# KiCad board Rogelio Pineda - connect 5 AMLDC-2044B.kicad_pcb
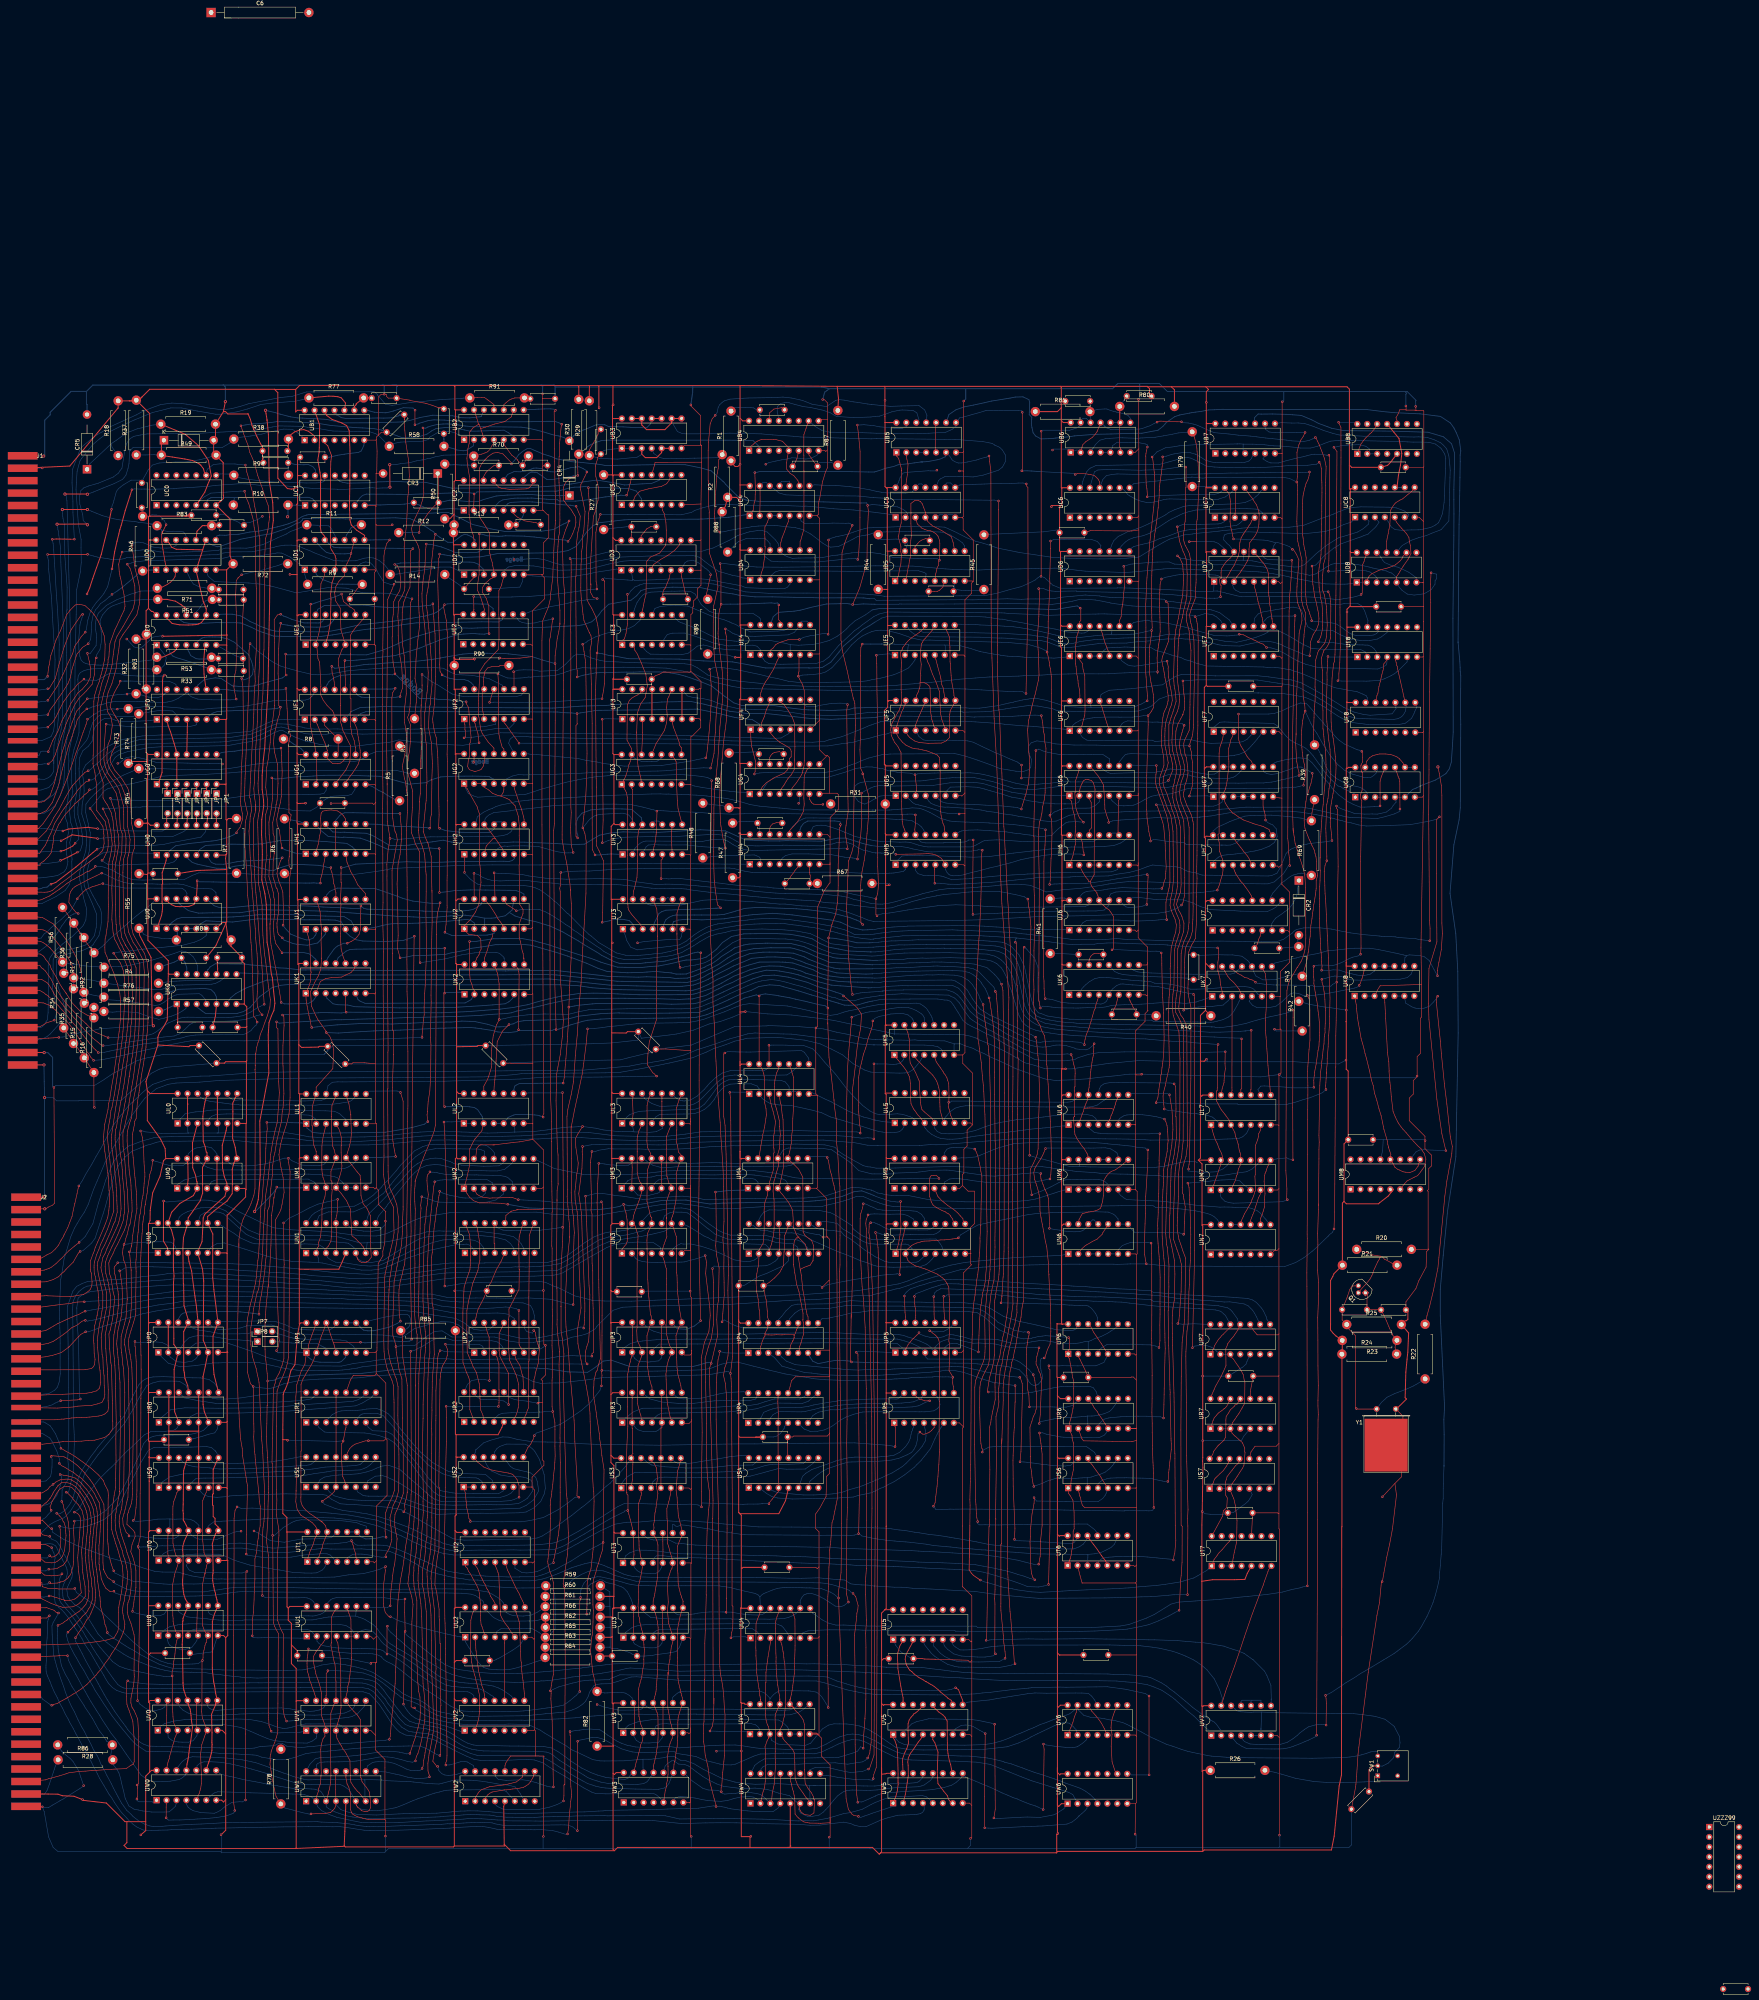
[diagram p0: board, top side]
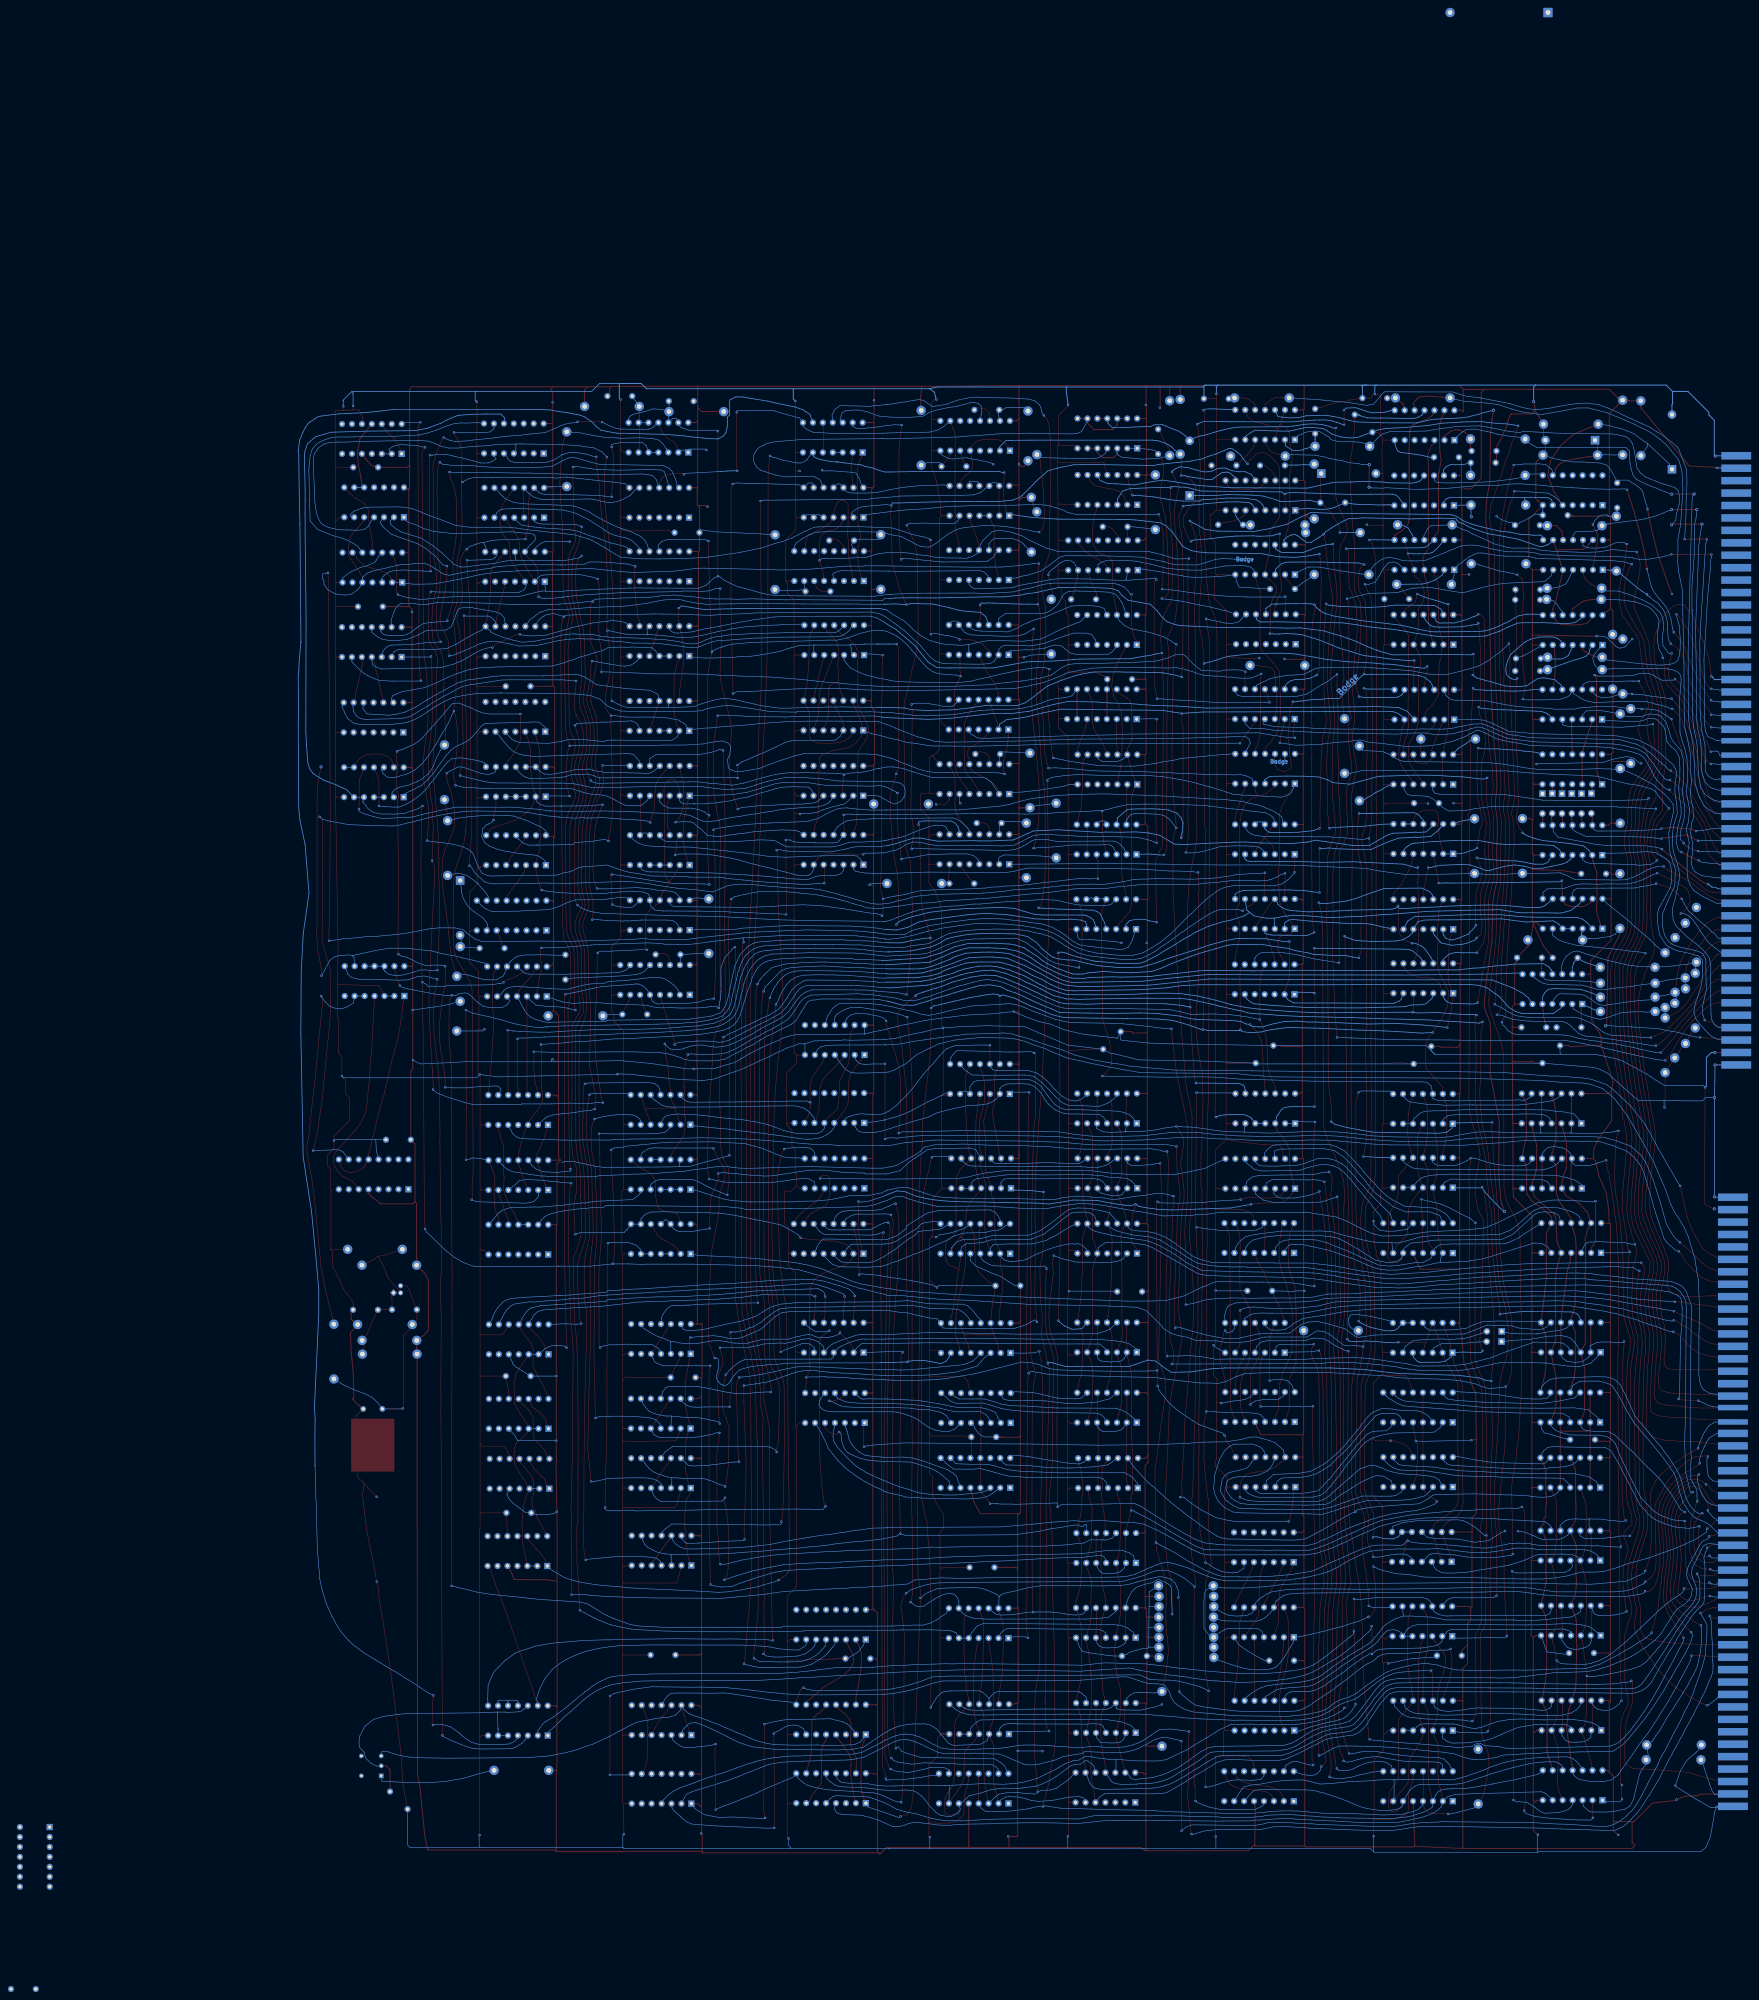
[diagram p1: board, bottom side, seen from below]

No outline. copper layers: Top, Bottom. Coordinates in mm from the lowest, leftmost part position.

## Placement (name value [footprint] x y rotation side)
C1  CAP_Disc_Common_-_Entrex_Trapezoid  [Disc Capacitor Common Entrex Trapezoid]  105.97 380.64 90 top
C2  CAP_Disc_Common_-_Entrex_Trapezoid  [Disc Capacitor Common Entrex Trapezoid]  170.39 399.34 45 top
C3  CAP_Disc_Common_-_Entrex_Trapezoid  [Disc Capacitor Common Entrex Trapezoid]  183.13 399.55 90 top
C4  CAP_Disc_Common_-_Entrex_Trapezoid  [Disc Capacitor Common Entrex Trapezoid]  512.79 0 0 top
C5  CAP_Disc_Common_-_Entrex_Trapezoid  [Disc Capacitor Common Entrex Trapezoid]  345.97 405.11 180 top
C6  CAP  [CAP non-polarized P25.00mm]  123.88 504.58 0 top
C7  CAP_Disc_Common_-_Entrex_Trapezoid  [Disc Capacitor Common Entrex Trapezoid]  361.66 406.4 180 top
C8  CAP_Disc_Common_-_Entrex_Trapezoid  [Disc Capacitor Common Entrex Trapezoid]  426.64 173.04 180 top
C9  CAP_Disc_Common_-_Entrex_Trapezoid  [Disc Capacitor Common Entrex Trapezoid]  416.69 173.09 180 top
C10  CAP_Disc_Common_-_Entrex_Trapezoid  [Disc Capacitor Common Entrex Trapezoid]  115.66 139.88 180 top
C11  CAP_Disc_Common_-_Entrex_Trapezoid  [Disc Capacitor Common Entrex Trapezoid]  273.01 282.33 0 top
C12  CAP_Disc_Common_-_Entrex_Trapezoid  [Disc Capacitor Common Entrex Trapezoid]  266.37 315.42 0 top
C13  CAP_Disc_Common_-_Entrex_Trapezoid  [Disc Capacitor Common Entrex Trapezoid]  206.02 389.12 0 top
C14  CAP_Disc_Common_-_Entrex_Trapezoid  [Disc Capacitor Common Entrex Trapezoid]  223.27 394.34 90 top
C15  CAP_Disc_Common_-_Entrex_Trapezoid  [Disc Capacitor Common Entrex Trapezoid]  204.32 373.99 0 top
C16  CAP_Disc_Common_-_Entrex_Trapezoid  [Disc Capacitor Common Entrex Trapezoid]  167.47 406.32 0 top
C17  CAP_Disc_Common_-_Entrex_Trapezoid  [Disc Capacitor Common Entrex Trapezoid]  426.59 388.21 180 top
C18  CAP_Disc_Common_-_Entrex_Trapezoid  [Disc Capacitor Common Entrex Trapezoid]  269.1 107.27 180 top
C19  CAP_Disc_Common_-_Entrex_Trapezoid  [Disc Capacitor Common Entrex Trapezoid]  122.64 375.97 180 top
C20  CAP_Disc_Common_-_Entrex_Trapezoid  [Disc Capacitor Common Entrex Trapezoid]  129.76 373.43 180 top
C21  CAP_Disc_Common_-_Entrex_Trapezoid  [Disc Capacitor Common Entrex Trapezoid]  418.1 48.27 225 top
C22  CAP_Disc_Common_-_Entrex_Trapezoid  [Disc Capacitor Common Entrex Trapezoid]  300.82 83.96 180 top
C23  CAP_Disc_Common_-_Entrex_Trapezoid  [Disc Capacitor Common Entrex Trapezoid]  350.61 84.89 180 top
C24  CAP_Disc_Common_-_Entrex_Trapezoid  [Disc Capacitor Common Entrex Trapezoid]  311.04 356.54 180 top
C25  CAP_Disc_Common_-_Entrex_Trapezoid  [Disc Capacitor Common Entrex Trapezoid]  233.82 373.47 0 top
C26  CAP_Disc_Common_-_Entrex_Trapezoid  [Disc Capacitor Common Entrex Trapezoid]  232.67 334.52 0 top
C27  CAP_Disc_Common_-_Entrex_Trapezoid  [Disc Capacitor Common Entrex Trapezoid]  241.9 354.94 0 top
C28  CAP_Disc_Common_-_Entrex_Trapezoid  [Disc Capacitor Common Entrex Trapezoid]  178.22 379.62 0 top
C29  CAP_Disc_Common_-_Entrex_Trapezoid  [Disc Capacitor Common Entrex Trapezoid]  193.62 389.12 0 top
C30  CAP_Disc_Common_-_Entrex_Trapezoid  [Disc Capacitor Common Entrex Trapezoid]  207.97 406.17 0 top
C31  CAP_Disc_Common_-_Entrex_Trapezoid  [Disc Capacitor Common Entrex Trapezoid]  139.77 389.82 0 top
C32  CAP_Disc_Common_-_Entrex_Trapezoid  [Disc Capacitor Common Entrex Trapezoid]  230.18 84.62 180 top
C33  CAP_Disc_Common_-_Entrex_Trapezoid  [Disc Capacitor Common Entrex Trapezoid]  192.54 83.46 180 top
C34  CAP_Disc_Common_-_Entrex_Trapezoid  [Disc Capacitor Common Entrex Trapezoid]  149.7 84.73 180 top
C35  CAP_Disc_Common_-_Entrex_Trapezoid  [Disc Capacitor Common Entrex Trapezoid]  115.93 85.38 180 top
C36  CAP_Disc_Common_-_Entrex_Trapezoid  [Disc Capacitor Common Entrex Trapezoid]  387.47 121.19 180 top
C37  CAP_Disc_Common_-_Entrex_Trapezoid  [Disc Capacitor Common Entrex Trapezoid]  345.49 155.76 180 top
C38  CAP_Disc_Common_-_Entrex_Trapezoid  [Disc Capacitor Common Entrex Trapezoid]  387.62 156.11 180 top
C39  CAP_Disc_Common_-_Entrex_Trapezoid  [Disc Capacitor Common Entrex Trapezoid]  268.67 140.56 180 top
C40  CAP_Disc_Common_-_Entrex_Trapezoid  [Disc Capacitor Common Entrex Trapezoid]  304.99 369.54 180 top
C41  CAP_Disc_Common_-_Entrex_Trapezoid  [Disc Capacitor Common Entrex Trapezoid]  266.62 403.32 0 top
C42  CAP_Disc_Common_-_Entrex_Trapezoid  [Disc Capacitor Common Entrex Trapezoid]  275.02 388.87 0 top
C43  CAP_Disc_Common_-_Entrex_Trapezoid  [Disc Capacitor Common Entrex Trapezoid]  161.87 355.02 0 top
C44  CAP_Disc_Common_-_Entrex_Trapezoid  [Disc Capacitor Common Entrex Trapezoid]  191.07 357.57 0 top
C45  CAP_Disc_Common_-_Entrex_Trapezoid  [Disc Capacitor Common Entrex Trapezoid]  139.57 392.82 0 top
C46  CAP_Disc_Common_-_Entrex_Trapezoid  [Disc Capacitor Common Entrex Trapezoid]  149.17 391.22 0 top
C47  CAP_Disc_Common_-_Entrex_Trapezoid  [Disc Capacitor Common Entrex Trapezoid]  394.29 265.39 180 top
C48  CAP_Disc_Common_-_Entrex_Trapezoid  [Disc Capacitor Common Entrex Trapezoid]  375.15 261.39 270 top
C49  CAP_Disc_Common_-_Entrex_Trapezoid  [Disc Capacitor Common Entrex Trapezoid]  357.84 248.49 180 top
C50  CAP_Disc_Common_-_Entrex_Trapezoid  [Disc Capacitor Common Entrex Trapezoid]  349.34 263.79 180 top
C51  CAP_Disc_Common_-_Entrex_Trapezoid  [Disc Capacitor Common Entrex Trapezoid]  387.64 332.29 180 top
C52  CAP_Disc_Common_-_Entrex_Trapezoid  [Disc Capacitor Common Entrex Trapezoid]  344.49 371.54 180 top
C53  CAP_Disc_Common_-_Entrex_Trapezoid  [Disc Capacitor Common Entrex Trapezoid]  425.39 352.64 180 top
C54  CAP_Disc_Common_-_Entrex_Trapezoid  [Disc Capacitor Common Entrex Trapezoid]  418.24 216.49 180 top
C55  CAP_Disc_Common_-_Entrex_Trapezoid  [Disc Capacitor Common Entrex Trapezoid]  261.22 179.62 0 top
C56  CAP_Disc_Common_-_Entrex_Trapezoid  [Disc Capacitor Common Entrex Trapezoid]  266.03 297.79 0 top
C57  CAP_Disc_Common_-_Entrex_Trapezoid  [Disc Capacitor Common Entrex Trapezoid]  117.87 245.62 0 top
C58  CAP_Disc_Common_-_Entrex_Trapezoid  [Disc Capacitor Common Entrex Trapezoid]  128.37 357.42 0 top
C59  CAP_Disc_Common_-_Entrex_Trapezoid  [Disc Capacitor Common Entrex Trapezoid]  128.42 354.82 0 top
C60  CAP_Disc_Common_-_Entrex_Trapezoid  [Disc Capacitor Common Entrex Trapezoid]  128.23 339.82 0 top
C61  CAP_Disc_Common_-_Entrex_Trapezoid  [Disc Capacitor Common Entrex Trapezoid]  128.42 336.64 0 top
C62  CAP_Disc_Common_-_Entrex_Trapezoid  [Disc Capacitor Common Entrex Trapezoid]  154.27 302.87 0 top
C63  CAP_Disc_Common_-_Entrex_Trapezoid  [Disc Capacitor Common Entrex Trapezoid]  111.56 284.85 0 top
C64  CAP_Disc_Common_-_Entrex_Trapezoid  [Disc Capacitor Common Entrex Trapezoid]  126.82 245.62 0 top
C65  CAP_Disc_Common_-_Entrex_Trapezoid  [Disc Capacitor Common Entrex Trapezoid]  122.73 239.1 315 top
C66  CAP_Disc_Common_-_Entrex_Trapezoid  [Disc Capacitor Common Entrex Trapezoid]  156.22 237.71 135 top
C67  CAP_Disc_Common_-_Entrex_Trapezoid  [Disc Capacitor Common Entrex Trapezoid]  195.99 239.1 315 top
C68  CAP_Disc_Common_-_Entrex_Trapezoid  [Disc Capacitor Common Entrex Trapezoid]  235.58 241.45 135 top
C69  CAP_Disc_Common_-_Entrex_Trapezoid  [Disc Capacitor Common Entrex Trapezoid]  196.87 178.32 0 top
C70  CAP_Disc_Common_-_Entrex_Trapezoid  [Disc Capacitor Common Entrex Trapezoid]  230.12 178.12 0 top
C71  CAP_Disc_Common_-_Entrex_Trapezoid  [Disc Capacitor Common Entrex Trapezoid]  118.82 263.37 0 top
C72  CAP_Disc_Common_-_Entrex_Trapezoid  [Disc Capacitor Common Entrex Trapezoid]  127.97 263.42 0 top
CR1  1N4001  [D_DO-41_SOD81_P12.70mm_Horizontal]  111.83 395.35 0 top
CR2  1N4001  [Diode for Entrex-AMLDC Board]  401.83 282.9 270 top
CR3  1N4001  [Diode for Entrex-AMLDC Board]  181.8 386.85 180 top
CR4  1N4001  [Diode for Entrex-AMLDC Board]  215.43 381.23 90 top
CR5  1N4001  [Diode for Entrex-AMLDC Board]  92.18 387.93 90 top
J1  Port A  [portA_NovaMod]  0 315.62 0 top
J2  Port B  [portB_NovaMod]  3.28 126.77 0 top
JP1  Vipass Ammeter  [DG Nova Board Jumper 5mm]  125.28 303.81 270 top
JP2  Vipass Ammeter  [DG Nova Board Jumper 5mm]  122.78 303.86 270 top
JP3  Vipass Ammeter  [DG Nova Board Jumper 5mm]  120.28 303.81 270 top
JP4  Vipass Ammeter  [DG Nova Board Jumper 5mm]  117.78 303.81 270 top
JP5  Vipass Ammeter  [DG Nova Board Jumper 5mm]  115.28 303.81 270 top
JP6  Vipass Ammeter  [DG Nova Board Jumper 5mm]  112.78 303.86 270 top
JP7  Vipass Ammeter  [DG Nova Board Jumper 3.8mm]  136.94 167.75 0 top
JP8  Vipass Ammeter  [DG Nova Board Jumper 3.8mm]  136.99 165.15 0 top
Q1  PNP MPS6533  [TO-92]  418.83 177.6 135 top
R1  ~  [R_Axial_DIN0411_L9.9mm_D3.6mm_P12.70mm_Horizontal]  256.73 390.1 90 top
R2  ~  [Resistor for Entrex-AMLDC Board#2]  254.47 377.07 90 top
R3  R_US  [Resistor for Entrex-AMLDC Board]  175.86 310.27 90 top
R4  ~  [Resistor for Entrex-AMLDC Board]  96.48 256.68 0 top
R5  R_US  [Resistor for Entrex-AMLDC Board]  172.05 303.29 90 top
R6  R_US  [Resistor for Entrex-AMLDC Board]  142.63 284.7 90 top
R7  R_US  [Resistor for Entrex-AMLDC Board]  130.38 284.75 90 top
R8  R_US  [Resistor for Entrex-AMLDC Board]  142.38 319.05 0 top
R9  R_US  [Resistor for Entrex-AMLDC Board]  148.55 358.53 0 top
R10  R_US  [Resistor for Entrex-AMLDC Board]  129.56 378.8 0 top
R11  R_US  [Resistor for Entrex-AMLDC Board]  148.33 373.75 0 top
R12  R_US  [Resistor for Entrex-AMLDC Board]  171.83 371.75 0 top
R13  R_US  [Resistor for Entrex-AMLDC Board]  185.96 373.7 0 top
R14  R_US  [Resistor for Entrex-AMLDC Board]  169.63 361.05 0 top
R15  R_US  [Resistor for Entrex-AMLDC Board]  91.48 237.6 90 top
R16  R_US  [Resistor for Entrex-AMLDC Board]  93.93 233.85 90 top
R17  R_US  [Resistor for Entrex-AMLDC Board]  91.38 254.35 90 top
R18  R_US  [Resistor for Entrex-AMLDC Board]  100.13 391.43 90 top
R19  R_US  [Resistor for Entrex-AMLDC Board]  111.03 399.45 0 top
R20  R_US  [Resistor for Entrex-AMLDC Board]  416.6 188.7 0 top
R21  R_US  [Resistor for Entrex-AMLDC Board]  412.95 184.65 0 top
R22  R_US  [Resistor for Entrex-AMLDC Board]  434.08 155.6 90 top
R23  R_US  [Resistor for Entrex-AMLDC Board]  426.88 165.45 180 top
R24  R_US  [Resistor for Entrex-AMLDC Board]  412.83 161.95 0 top
R25  R_US  [Resistor for Entrex-AMLDC Board]  414.06 169.5 0 top
R26  R_US  [Resistor for Entrex-AMLDC Board]  379.18 55.64 0 top
R27  R_US  [Resistor for Entrex-AMLDC Board]  224.18 372.53 90 top
R28  R_US  [Resistor for Entrex-AMLDC Board]  98.65 62.14 180 top
R29  R_US  [Resistor for Entrex-AMLDC Board]  220.53 391.45 90 top
R30  R_US  [Resistor for Entrex-AMLDC Board]  217.83 391.8 90 top
R31  R_US  [Resistor for Entrex-AMLDC Board]  282.18 302.45 0 top
R32  R_US  [Resistor for Entrex-AMLDC Board]  104.74 330.59 90 top
R33  R_US  [Resistor for Entrex-AMLDC Board]  123.98 336.75 180 top
R34  R_US  [Resistor for Entrex-AMLDC Board]  86.23 245.25 90 top
R35  R_US  [Resistor for Entrex-AMLDC Board]  88.73 241.28 90 top
R36  R_US  [Resistor for Entrex-AMLDC Board]  88.78 258.05 90 top
R37  R_US  [Resistor for Entrex-AMLDC Board]  104.78 391.6 90 top
R38  R_US  [Resistor for Entrex-AMLDC Board]  129.68 395.65 0 top
R39  R_US  [Resistor for Entrex-AMLDC Board]  405.83 303.55 90 top
R40  R_US  [Resistor for Entrex-AMLDC Board]  379.33 248.35 180 top
R41  R_US  [Resistor for Entrex-AMLDC Board]  338.28 264.25 90 top
R42  R_US  [Resistor for Entrex-AMLDC Board]  402.68 244.47 90 top
R43  R_US  [Resistor for Entrex-AMLDC Board]  401.8 252.05 90 top
R44  R_US  [Resistor for Entrex-AMLDC Board]  294.35 357.26 90 top
R45  R_US  [Resistor for Entrex-AMLDC Board]  321.36 357.22 90 top
R46  R_US  [Resistor for Entrex-AMLDC Board]  106.39 361.96 90 top
R47  R_US  [Resistor for Entrex-AMLDC Board]  257.14 283.6 90 top
R48  R_US  [Resistor for Entrex-AMLDC Board]  249.52 288.68 90 top
R49  R_US  [Resistor for Entrex-AMLDC Board]  111.18 391.55 0 top
R50  R_US  [Resistor for Entrex-AMLDC Board]  183.58 375.28 90 top
R51  R_US  [Resistor for Entrex-AMLDC Board]  124.23 354.7 180 top
R53  R_US  [Resistor for Entrex-AMLDC Board]  123.98 339.93 180 top
R54  R_US  [Resistor for Entrex-AMLDC Board]  105.41 297.53 90 top
R55  R_US  [Resistor for Entrex-AMLDC Board]  105.48 270.68 90 top
R56  R_US  [Resistor for Entrex-AMLDC Board]  85.93 262.05 90 top
R57  R_US  [Resistor for Entrex-AMLDC Board]  96.48 249.45 0 top
R58  R_US  [Resistor for Entrex-AMLDC Board]  169.41 393.8 0 top
R59  R_US  [Resistor for Entrex-AMLDC Board]  209.39 102.78 0 top
R60  R_US  [Resistor for Entrex-AMLDC Board]  209.27 100.07 0 top
R61  R_US  [Resistor for Entrex-AMLDC Board]  209.26 97.46 0 top
R62  R_US  [Resistor for Entrex-AMLDC Board]  209.3 92.16 0 top
R63  R_US  [Resistor for Entrex-AMLDC Board]  209.28 87.09 0 top
R64  R_US  [Resistor for Entrex-AMLDC Board]  209.24 84.47 0 top
R65  R_US  [Resistor for Entrex-AMLDC Board]  209.29 89.62 0 top
R66  R_US  [Resistor for Entrex-AMLDC Board]  209.33 94.79 0 top
R67  R_US  [Resistor for Entrex-AMLDC Board]  278.78 282.15 0 top
R68  R_US  [Resistor for Entrex-AMLDC Board]  256.23 301.48 90 top
R69  R_US  [Resistor for Entrex-AMLDC Board]  405.03 284.2 90 top
R70  R_US  [Resistor for Entrex-AMLDC Board]  191 391.3 0 top
R71  R_US  [Resistor for Entrex-AMLDC Board]  124.1 357.55 180 top
R72  R_US  [Resistor for Entrex-AMLDC Board]  143.47 363.8 180 top
R73  R_US  [Resistor for Entrex-AMLDC Board]  102.73 312.81 90 top
R74  R_US  [Resistor for Entrex-AMLDC Board]  105.41 311.5 90 top
R75  R_US  [Resistor for Entrex-AMLDC Board]  96.53 260.74 0 top
R76  R_US  [Resistor for Entrex-AMLDC Board]  96.48 253.12 0 top
R77  R_US  [Resistor for Entrex-AMLDC Board]  148.88 406.15 0 top
R78  R_US  [Resistor for Entrex-AMLDC Board]  141.69 47.06 90 top
R79  R_US  [Resistor for Entrex-AMLDC Board]  374.58 383.53 90 top
R80  R_US  [Resistor for Entrex-AMLDC Board]  356.06 403.98 0 top
R81  R_US  [Resistor for Entrex-AMLDC Board]  334.48 402.65 0 top
R82  R_US  [Resistor for Entrex-AMLDC Board]  222.51 61.82 90 top
R83  R_US  [Resistor for Entrex-AMLDC Board]  110.07 373.52 0 top
R84  R_US  [Resistor for Entrex-AMLDC Board]  115.02 267.73 0 top
R85  R_US  [Resistor for Entrex-AMLDC Board]  172.33 167.95 0 top
R86  R_US  [Resistor for Entrex-AMLDC Board]  84.79 58.33 0 top
R87  R_US  [Resistor for Entrex-AMLDC Board]  284.03 388.98 90 top
R88  R_US  [Resistor for Entrex-AMLDC Board]  255.87 366.79 90 top
R89  R_US  [Resistor for Entrex-AMLDC Board]  250.79 340.75 90 top
R90  R_US  [Resistor for Entrex-AMLDC Board]  186.02 337.83 0 top
R91  R_US  [Resistor for Entrex-AMLDC Board]  189.98 406.15 0 top
R92  R_US  [Resistor for Entrex-AMLDC Board]  93.94 250.48 90 top
R93  R_US  [Resistor for Entrex-AMLDC Board]  107.34 331.81 90 top
R94  R_US  [Resistor for Entrex-AMLDC Board]  129.68 386.4 0 top
SW1  ~{RESET} RESET  [SW_Lever_1P2T_NKK_GW12LxH]  421.98 54.24 90 top
UB1  74LS37  [DIP-14_W7.62mm]  147.78 395.37 90 top
UB2  74LS10  [DIP-14_W7.62mm]  188.53 395.47 90 top
UB3  DM958  [DIP-14_W7.62mm]  228.84 393.28 90 top
UB4  74LS123  [DIP-16_W7.62mm]  261.34 392.68 90 top
UB5  74LS02  [DIP-14_W7.62mm]  298.98 392.23 90 top
UB6  74LS38  [DIP-14_W7.62mm]  343.53 392.23 90 top
UB7  74LS32  [DIP-14_W7.62mm]  380.48 391.98 90 top
UB8  74LS93  [DIP-14_W7.62mm]  416.76 391.88 90 top
UC0  74LS04  [DIP-14_W7.62mm]  109.94 378.76 90 top
UC1  74LS00  [DIP-14_W7.62mm]  147.89 378.7 90 top
UC2  74LS123  [DIP-16_W7.62mm]  188.44 377.44 90 top
UC3  74LS74  [DIP-14_W7.62mm]  228.82 378.85 90 top
UC4  74LS00  [DIP-14_W7.62mm]  261.53 376.07 90 top
UC5  74LS02  [DIP-14_W7.62mm]  298.78 375.63 90 top
UC6  74LS74  [DIP-14_W7.62mm]  343.33 375.58 90 top
UC7  74LS74  [DIP-14_W7.62mm]  380.38 375.58 90 top
UC8  74LS00  [DIP-14_W7.62mm]  416.18 375.68 90 top
UD0  74LS10  [DIP-14_W7.62mm]  109.84 362.24 90 top
UD1  74LS10  [DIP-14_W7.62mm]  147.84 362.25 90 top
UD2  74LS10  [DIP-14_W7.62mm]  188.53 361.03 90 top
UD3  74LS123  [DIP-16_W7.62mm]  228.68 362.15 90 top
UD4  74LS74  [DIP-14_W7.62mm]  261.63 359.65 90 top
UD5  74LS123  [DIP-16_W7.62mm]  298.66 359.4 90 top
UD6  74LS10  [DIP-14_W7.62mm]  343.28 359.33 90 top
UD7  74LS74  [DIP-14_W7.62mm]  380.18 359.23 90 top
UD8  74LS74  [DIP-14_W7.62mm]  416.63 359.03 90 top
UE0  74LS10  [DIP-14_W7.62mm]  109.94 343.05 90 top
UE1  74LS74  [DIP-14_W7.62mm]  148.04 343.15 90 top
UE2  74LS74  [DIP-14_W7.62mm]  188.32 343.25 90 top
UE3  74LS74  [DIP-14_W7.62mm]  228.91 343.1 90 top
UE4  74LS02  [DIP-14_W7.62mm]  261.68 340.55 90 top
UE5  74LS08  [DIP-14_W7.62mm]  298.63 340.48 90 top
UE6  74LS00  [DIP-14_W7.62mm]  343.28 340.23 90 top
UE7  7425  [DIP-14_W7.62mm]  380.08 340.18 90 top
UE8  74LS08  [DIP-14_W7.62mm]  416.78 339.98 90 top
UF0  74LS04  [DIP-14_W7.62mm]  110.04 324.05 90 top
UF1  74LS14  [DIP-14_W7.62mm]  147.84 324 90 top
UF2  74LS06  [DIP-14_W7.62mm]  188.58 324.14 90 top
UF3  9328  [DIP-16_W7.62mm]  228.96 324.13 90 top
UF4  74LS74  [DIP-14_W7.62mm]  261.73 321.46 90 top
UF5  74LS74  [DIP-14_W7.62mm]  298.83 321.23 90 top
UF6  74LS00  [DIP-14_W7.62mm]  343.28 321.13 90 top
UF7  74LS74  [DIP-14_W7.62mm]  380.08 320.9 90 top
UF8  74LS20  [DIP-14_W7.62mm]  416.33 320.73 90 top
UG0  74LS30  [DIP-14_W7.62mm]  110.04 307.49 90 top
UG1  74LS38  [DIP-14_W7.62mm]  148.09 307.44 90 top
UG2  74LS02  [DIP-14_W7.62mm]  188.53 307.63 90 top
UG3  74LS86  [DIP-14_W7.62mm]  228.81 307.44 90 top
UG4  74LS123  [DIP-16_W7.62mm]  261.53 304.99 90 top
UG5  74LS74  [DIP-14_W7.62mm]  298.83 304.55 90 top
UG6  74LS32  [DIP-14_W7.62mm]  343.19 304.55 90 top
UG7  74LS00  [DIP-14_W7.62mm]  379.98 304.3 90 top
UG8  74LS02  [DIP-14_W7.62mm]  416.23 304.18 90 top
UH0  74LS04  [DIP-14_W7.62mm]  109.99 289.39 90 top
UH1  74LS00  [DIP-14_W7.62mm]  148.09 289.71 90 top
UH2  74LS00  [DIP-14_W7.62mm]  188.58 289.6 90 top
UH3  74LS00  [DIP-14_W7.62mm]  229.01 289.56 90 top
UH4  74LS123  [DIP-16_W7.62mm]  261.53 287.06 90 top
UH5  74LS74  [DIP-14_W7.62mm]  298.78 286.93 90 top
UH6  74LS00  [DIP-14_W7.62mm]  343.18 286.85 90 top
UH7  74LS74  [DIP-14_W7.62mm]  379.91 286.82 90 top
UJ0  74LS38  [DIP-14_W7.62mm]  109.94 270.61 90 top
UJ1  74LS74  [DIP-14_W7.62mm]  148.09 270.45 90 top
UJ2  74LS74  [DIP-14_W7.62mm]  188.58 270.56 90 top
UJ3  74LS10  [DIP-14_W7.62mm]  229.12 270.48 90 top
UJ6  74LS10  [DIP-14_W7.62mm]  343.18 270.23 90 top
UJ7  74LS123  [DIP-16_W7.62mm]  379.78 270.15 90 top
UK0  74LS08  [DIP-14_W7.62mm]  115.12 251.35 90 top
UK1  74LS74  [DIP-14_W7.62mm]  148.09 254.1 90 top
UK2  74LS00  [DIP-14_W7.62mm]  188.63 253.83 90 top
UK5  74LS07  [DIP-14_W7.62mm]  298.48 238.35 90 top
UK6  74LS123  [DIP-16_W7.62mm]  343.13 253.7 90 top
UK7  74LS00  [DIP-14_W7.62mm]  379.68 253.3 90 top
UK8  74LS02  [DIP-14_W7.62mm]  416.08 253.4 90 top